# Altium PCB PCB1.PcbDoc
Units mil, origin at the board's own origin, x right, y up, seen from the top; angles counter-clockwise.
Board outline 15980 x 10455 mil, 2 copper layers (Top Layer, Bottom Layer); 21 components, 69 nets, 292 pads, 4 vias.
Unrouted connection lines stored in the file: 235.
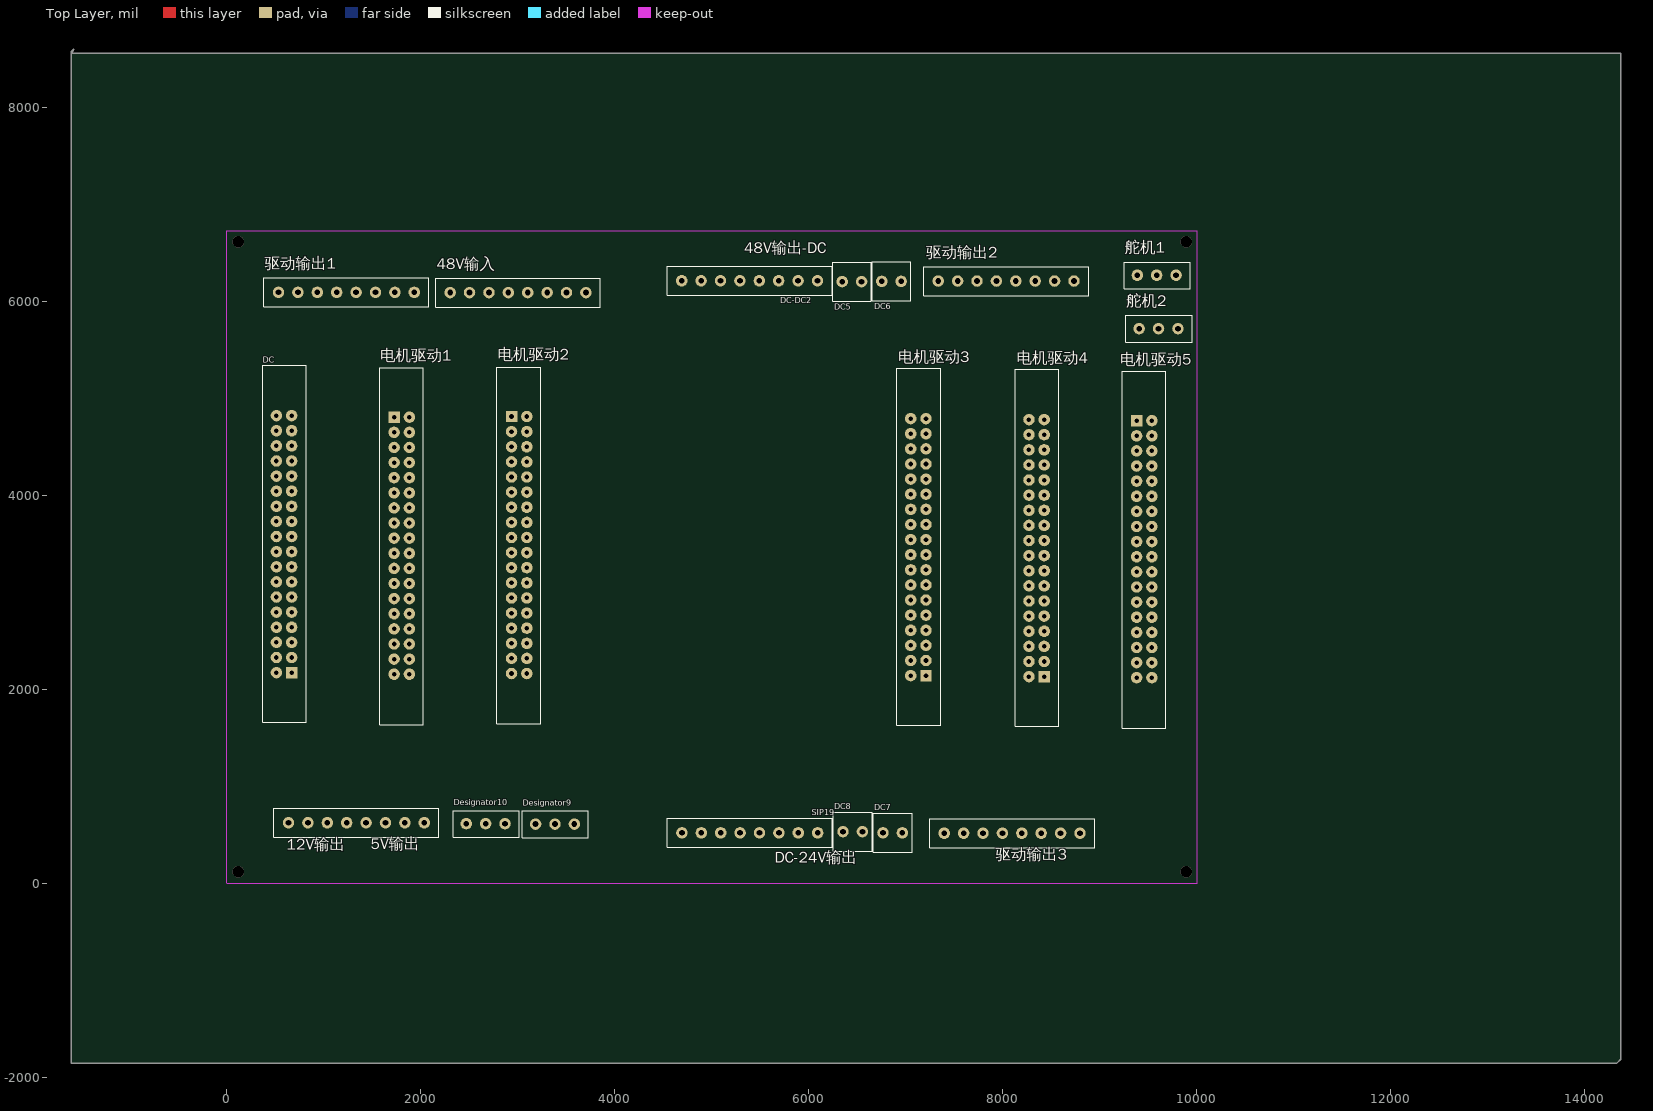
[diagram p0: Top Layer view]
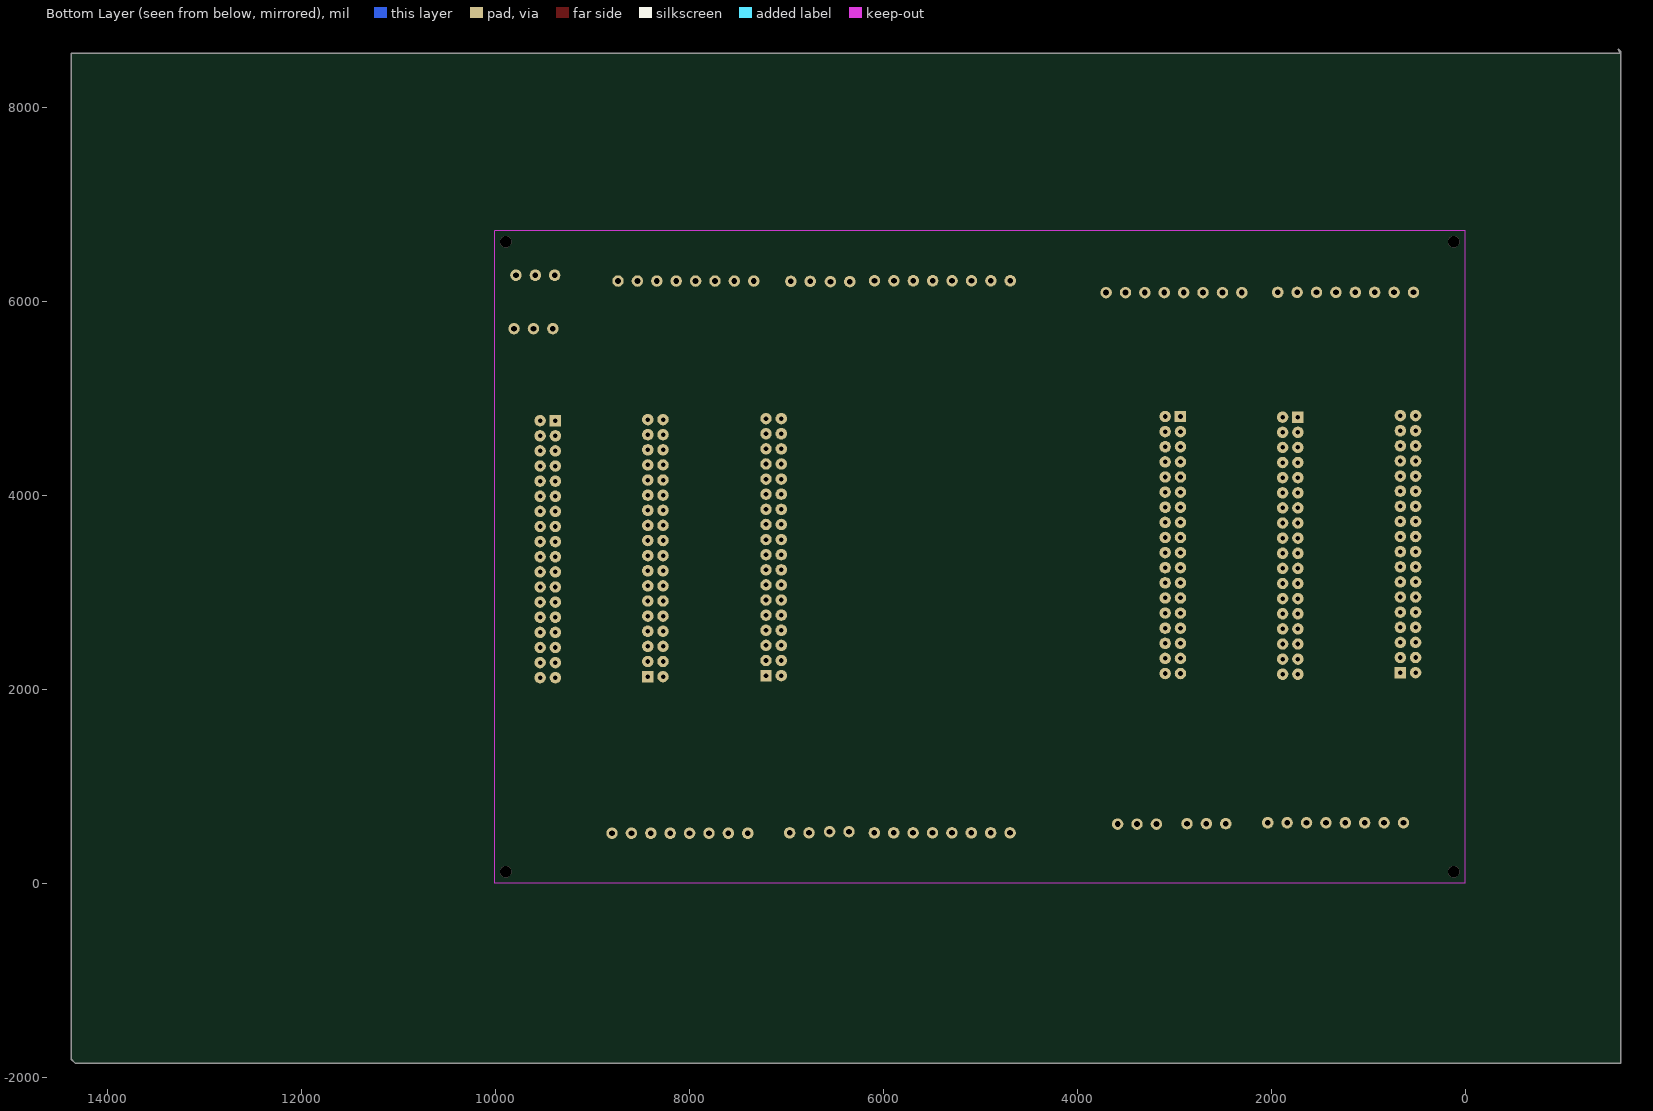
[diagram p1: Bottom Layer view, seen from below]

## Layer stack, top to bottom
Top Layer: signal copper 1.4
Dielectric: dielectric 12.6, FR-4, Dk 4.8
Bottom Layer: signal copper 1.4

## Board outline
-1600,8555 -1595,8560 14375,8560 14375,-1815 14335,-1855 -1605,-1855 -1605,8575 -1580,8600

## Design rules (kind name [scope] priority, off if disabled: settings)
Clearance [All] p1: gap=10
ComponentClearance [All] p1 off: gap=10 collisioncheckmode=3 verticalgap=10 showdistances=FALSE
PolygonConnect [All] p1: connectstyle=Relief reliefconductorwidth=10 reliefentries=4 polygonreliefangle="90 Angle"
RoutingVias [All] p1: holewidth=45 width=45 viastyle="Through Hole" minholewidth=45 minwidth=65 maxholewidth=500 maxwidth=500
SilkscreenOverComponentPads [All] p1: minsilkscreentomaskgap=10
SolderMaskExpansion [All] p1: expansion=4
Width Width_8 [InNet('DC24V_1-')] p1: maxlimit=180 minlimit=10 preferedwidth=180
Width Width_7 [InNet('DC24V_6+')] p2: maxlimit=180 minlimit=10 preferedwidth=180
Width Width_6 [InNet('DC24V_5+')] p3: maxlimit=180 minlimit=10 preferedwidth=180
Width Width_5 [InNet('DC24V_4+')] p4: maxlimit=180 minlimit=10 preferedwidth=180
Width Width_4 [InNet('DC24V_3+')] p5: maxlimit=180 minlimit=10 preferedwidth=180
Width Width_3 [InNet('DC24V_2+')] p6: maxlimit=180 minlimit=10 preferedwidth=180
Width Width_2 [InNet('DC24V_1+')] p7: maxlimit=180 minlimit=10 preferedwidth=180
Width Width_1 [InNet('5V')] p8: maxlimit=140 minlimit=10 preferedwidth=110
Width [All] p9: maxlimit=500 minlimit=10 preferedwidth=30
26 further rules are at their usual default settings.

## Components (designator, comment, footprint, x,y, rotation, side; value= is the part's Value field where it differs from the comment)
12V输出 "SIP8" DIP8-3MM 636,623 r90 top (schematic designator OUT3)
48V输入 "SIP8" DIP8-3MM 2303,6090 r90 top (schematic designator "DC-DC 48V-24V")
DC "POWER_18*2" DIP36-3.96MM 669,2171 r180 top (schematic designator P3)
DC5 "SIP2" DIP2-3MM-K 6446,6203 r0 top
DC6 "SIP2" DIP2-3MM-K 6854,6206 r0 top
DC7 "SIP2" DIP2-3MM-K 6866,519 r0 top (schematic designator DC5)
DC8 "SIP2" DIP2-3MM-K 6454,531 r0 top (schematic designator DC5)
DC-DC2 "SIP8" DIP8-3MM 6091,6212 r270 top
Designator9 "Comment" 123 3184,609 r0 top
Designator10 "Comment" 123 2469,613 r0 top
SIP19 "SIP8" DIP8-3MM 4693,519 r90 top
电机驱动1 "Header" DIP36-3.96MM 1725,4805 r0 top (schematic designator P4)
电机驱动2 "Header" DIP36-3.96MM 2936,4812 r0 top (schematic designator P1)
电机驱动3 "Header" DIP36-3.96MM 7210,2140 r180 top (schematic designator P2)
电机驱动4 "Header" DIP36-3.96MM 8429,2130 r180 top (schematic designator P5)
电机驱动5 "Header" DIP36-3.96MM 9382,4769 r0 top (schematic designator P6)
舵机1 "Comment" 123 9389,6269 r0 top
舵机2 "Comment" 123 9408,5718 r0 top
驱动输出1 "SIP8" DIP8-3MM 533,6093 r90 top (schematic designator SIP20)
驱动输出2 "SIP8" DIP8-3MM 8736,6209 r270 top (schematic designator OUT3)
驱动输出3 "SIP8" DIP8-3MM 8798,515 r270 top (schematic designator SIP4)

## Footprints (in the part's own frame and the unit in brackets; to place one, negate y for a bottom-side part, rotate by r counter-clockwise, add the part's x,y. Pads: shape width x height; smd on the part's side, far side on the other; paste and mask are expansions set on the pad)
123 [mil]
  round 118 hole 59: 1(0,0) 2(200,0) 3(400,0)
  silkscreen extent -136,-141 545,136
DIP2-3MM-K [mm]
  round 3 hole 1.5: 1(-2.54,0) 2(2.54,0)
  silkscreen extent -5.08,-5.08 5.08,5.08
DIP8-3MM [mm]
  round 3 hole 1.5: 1(0,0) 2(0,-5.08) 3(0,-10.16) 4(0,-15.24) 5(0,-20.32) 6(0,-25.4) 7(0,-30.48) 8(0,-35.56)
  silkscreen extent -3.81,-39.37 3.81,3.81
DIP36-3.96MM [mm]
  rect 3x3 hole 1.2: 1(0,0)
  round 3 hole 1.2: 2(4,0) 3(0,-3.96) 4(4,-3.96) 5(0,-7.92) 6(4,-7.92) 7(0,-11.88) 8(4,-11.88) 9(0,-15.84) 10(4,-15.84) 11(0,-19.8) 12(4,-19.8) 13(0,-23.76) 14(4,-23.76) 15(0,-27.72) 16(4,-27.72) 17(0,-31.68) 18(4,-31.68) 19(0,-35.64) 20(4,-35.64) 21(0,-39.6) 22(4,-39.6) 23(0,-43.56) 24(4,-43.56) 25(0,-47.52) 26(4,-47.52) 27(0,-51.48) 28(4,-51.48) 29(0,-55.44) 30(4,-55.44) 31(0,-59.4) 32(4,-59.4) 33(0,-63.36) 34(4,-63.36) 35(0,-67.32) 36(4,-67.32)
  silkscreen extent -3.81,-80.52 7.62,12.95

## Via types
v1: diameter 118.11, hole 118.11, Top Layer to Bottom Layer, 4 vias

## Nets (pads, with @x,y where several pads share a name; then routed paths per layer and width w, separated by ;. In a path a pad name is that pad's centre, name@x,y a point inside that pad or via, vN(x,y) a via of type N, cw(c..) or ccw(c..) an arc to the next point about the centre after c; other vN are vias at no path point)
5V: 12V输出.5 12V输出.7 DC.23 DC.24 DC.25 DC.26 DC.27 DC.28 电机驱动1.5 电机驱动2.5 电机驱动3.5 电机驱动4.5 电机驱动5.5 舵机1.2 舵机2.2
9V: DC.17 DC.18 DC.19 DC.20 DC.21 DC.22 Designator9.3 Designator10.3
12V_1: 12V输出.1 DC.9 DC.10 DC.11 DC.12
12V_2: 12V输出.3 DC.13 DC.14 DC.15 DC.16
DC24V_1+: SIP19.8 电机驱动2.7 电机驱动2.8 电机驱动2.9 电机驱动2.10 电机驱动2.27 电机驱动2.28 电机驱动2.29 电机驱动2.30
DC24V_1-: 12V输出.2 12V输出.4 12V输出.6 12V输出.8 DC7.1 DC8.1 DC.29 DC.30 DC.31 DC.32 DC.33 DC.34 DC.35 DC.36 Designator9.2 Designator10.2 SIP19.1 SIP19.3 SIP19.5 SIP19.7 电机驱动1.11 电机驱动1.12 电机驱动1.13 电机驱动1.14 电机驱动1.15 电机驱动1.31 电机驱动1.32 电机驱动2.11 电机驱动2.12 电机驱动2.13 电机驱动2.14 电机驱动2.15 电机驱动2.31 电机驱动2.32 电机驱动3.11 电机驱动3.12 电机驱动3.13 电机驱动3.14 电机驱动3.15 电机驱动3.31 电机驱动3.32 电机驱动4.11 电机驱动4.12 电机驱动4.13 电机驱动4.14 电机驱动4.15 电机驱动4.31 电机驱动4.32 电机驱动5.11 电机驱动5.12 电机驱动5.13 电机驱动5.14 电机驱动5.15 电机驱动5.31 电机驱动5.32 舵机1.3 舵机2.3
DC24V_2+: SIP19.6 电机驱动3.7 电机驱动3.8 电机驱动3.9 电机驱动3.10 电机驱动3.27 电机驱动3.28 电机驱动3.29 电机驱动3.30 驱动输出3.2 驱动输出3.4 驱动输出3.6 驱动输出3.8
DC24V_3+: SIP19.4 电机驱动1.7 电机驱动1.8 电机驱动1.9 电机驱动1.10 电机驱动1.27 电机驱动1.28 电机驱动1.29 电机驱动1.30
DC24V_4+: DC.1 DC.2 DC.3 DC.4 DC.5 DC.6 DC.7 DC.8 SIP19.2
DC24V_5+: DC7.2 电机驱动4.7 电机驱动4.8 电机驱动4.9 电机驱动4.10 电机驱动4.27 电机驱动4.28 电机驱动4.29 电机驱动4.30
DC24V_6+: DC8.2 电机驱动5.7 电机驱动5.8 电机驱动5.9 电机驱动5.10 电机驱动5.27 电机驱动5.28 电机驱动5.29 电机驱动5.30
NetCAN_2: 
NetCAN_3: 
NetSIP2_1: 舵机2.1
NetSIP3_1: 舵机1.1
NetSIP5_1: 
NetSIP5_2: 
NetSIP5_3: 
NetSIP6_1: 
NetSIP6_2: 
NetSIP6_3: 
NetSIP6_4: 
NetSIP7_1: Designator10.1
NetSIP8_1: Designator9.1
NetSIP9_1: 
NetSIP9_2: 
NetSIP9_3: 
OUT1: 电机驱动2.1 电机驱动2.2 电机驱动2.3 电机驱动2.4 驱动输出1.8
OUT1-: 电机驱动2.17 电机驱动2.18 电机驱动2.19 电机驱动2.20 驱动输出1.7
OUT2: 电机驱动2.21 电机驱动2.22 电机驱动2.23 电机驱动2.24 驱动输出1.6
OUT2-: 电机驱动2.33 电机驱动2.34 电机驱动2.35 电机驱动2.36 驱动输出1.5
OUT3: 电机驱动1.1 电机驱动1.2 电机驱动1.3 电机驱动1.4 驱动输出1.4
OUT3-: 电机驱动1.17 电机驱动1.18 电机驱动1.19 电机驱动1.20 驱动输出1.3
OUT4: 电机驱动1.21 电机驱动1.22 电机驱动1.23 电机驱动1.24 驱动输出1.2
OUT4-: 电机驱动1.33 电机驱动1.34 电机驱动1.35 电机驱动1.36 驱动输出1.1
OUT5: 电机驱动3.1 电机驱动3.2 电机驱动3.3 电机驱动3.4 驱动输出3.7
OUT6: 电机驱动3.17 电机驱动3.18 电机驱动3.19 电机驱动3.20 驱动输出3.5
OUT7: 电机驱动3.21 电机驱动3.22 电机驱动3.23 电机驱动3.24 驱动输出3.3
OUT8: 电机驱动3.33 电机驱动3.34 电机驱动3.35 电机驱动3.36 驱动输出3.1
OUT9: 电机驱动4.1 电机驱动4.2 电机驱动4.3 电机驱动4.4 驱动输出2.8
OUT9-: 电机驱动4.17 电机驱动4.18 电机驱动4.19 电机驱动4.20 驱动输出2.7
OUT10: 电机驱动4.21 电机驱动4.22 电机驱动4.23 电机驱动4.24 驱动输出2.6
OUT10-: 电机驱动4.33 电机驱动4.34 电机驱动4.35 电机驱动4.36 驱动输出2.5
OUT11: 电机驱动5.1 电机驱动5.2 电机驱动5.3 电机驱动5.4 驱动输出2.4
OUT11-: 电机驱动5.17 电机驱动5.18 电机驱动5.19 电机驱动5.20 驱动输出2.3
OUT12: 电机驱动5.21 电机驱动5.22 电机驱动5.23 电机驱动5.24 驱动输出2.2
OUT12-: 电机驱动5.33 电机驱动5.34 电机驱动5.35 电机驱动5.36 驱动输出2.1
"POWER 48V+": 48V输入.5 48V输入.6 48V输入.7 48V输入.8 DC5.2 DC6.2 DC-DC2.1 DC-DC2.2 DC-DC2.3 DC-DC2.4
"POWER 48V-": 48V输入.1 48V输入.2 48V输入.3 48V输入.4 DC5.1 DC6.1 DC-DC2.5 DC-DC2.6 DC-DC2.7 DC-DC2.8
RX3: 电机驱动4.26
T1_1: 电机驱动3.6
T1_2: 电机驱动3.16
T1_3: 电机驱动3.26
T1_4: 电机驱动3.25
T2_1: 电机驱动4.6
T2_2: 电机驱动4.16
T3_1: 电机驱动5.6
T3_2: 电机驱动5.16
T3_3: 电机驱动5.26
T3_4: 电机驱动5.25
T4_1: 电机驱动1.6
T4_2: 电机驱动1.16
T4_3: 电机驱动1.26
T4_4: 电机驱动1.25
T5_1: 电机驱动2.6
T5_2: 电机驱动2.16
T5_3: 电机驱动2.26
T5_4: 电机驱动2.25
TX3: 电机驱动4.25
copper on no net:
  other v1: 9895,116 120,119 119,6615 9894,6615

## Keep-outs
Keep-Out Layer:
  lines w3: 0,0 0,117 0,6730 ; 0.56,6730 473,6730 1649.53,6730 ; 2.06,0 474,0 ; 473,0 9535,0 ; 1650,6730 2950,6730 8350,6730 9535,6730 10007.44,6730 ; 9534,0 10007,0 10007,6730

## Silkscreen, mask and mechanical layers (free items; w line width, h text height)
Top Overlay:
  text "48V输出-DC" at 5337,6453 h200
  text "5V输出" at 1482,308 h200
  text "DC-24V输出" at 5652,171 h200